# Altium PCB Levitador Magnetico.PcbDoc (part 2 of 3)
Units mm, origin at the board's own origin, x right, y up, seen from the top; angles counter-clockwise.
Board outline 150 x 150 mm, 2 copper layers (Top Layer, Bottom Layer), stack 1.571 mm thick; 249 components, 116 nets, 646 pads, 2428 vias.
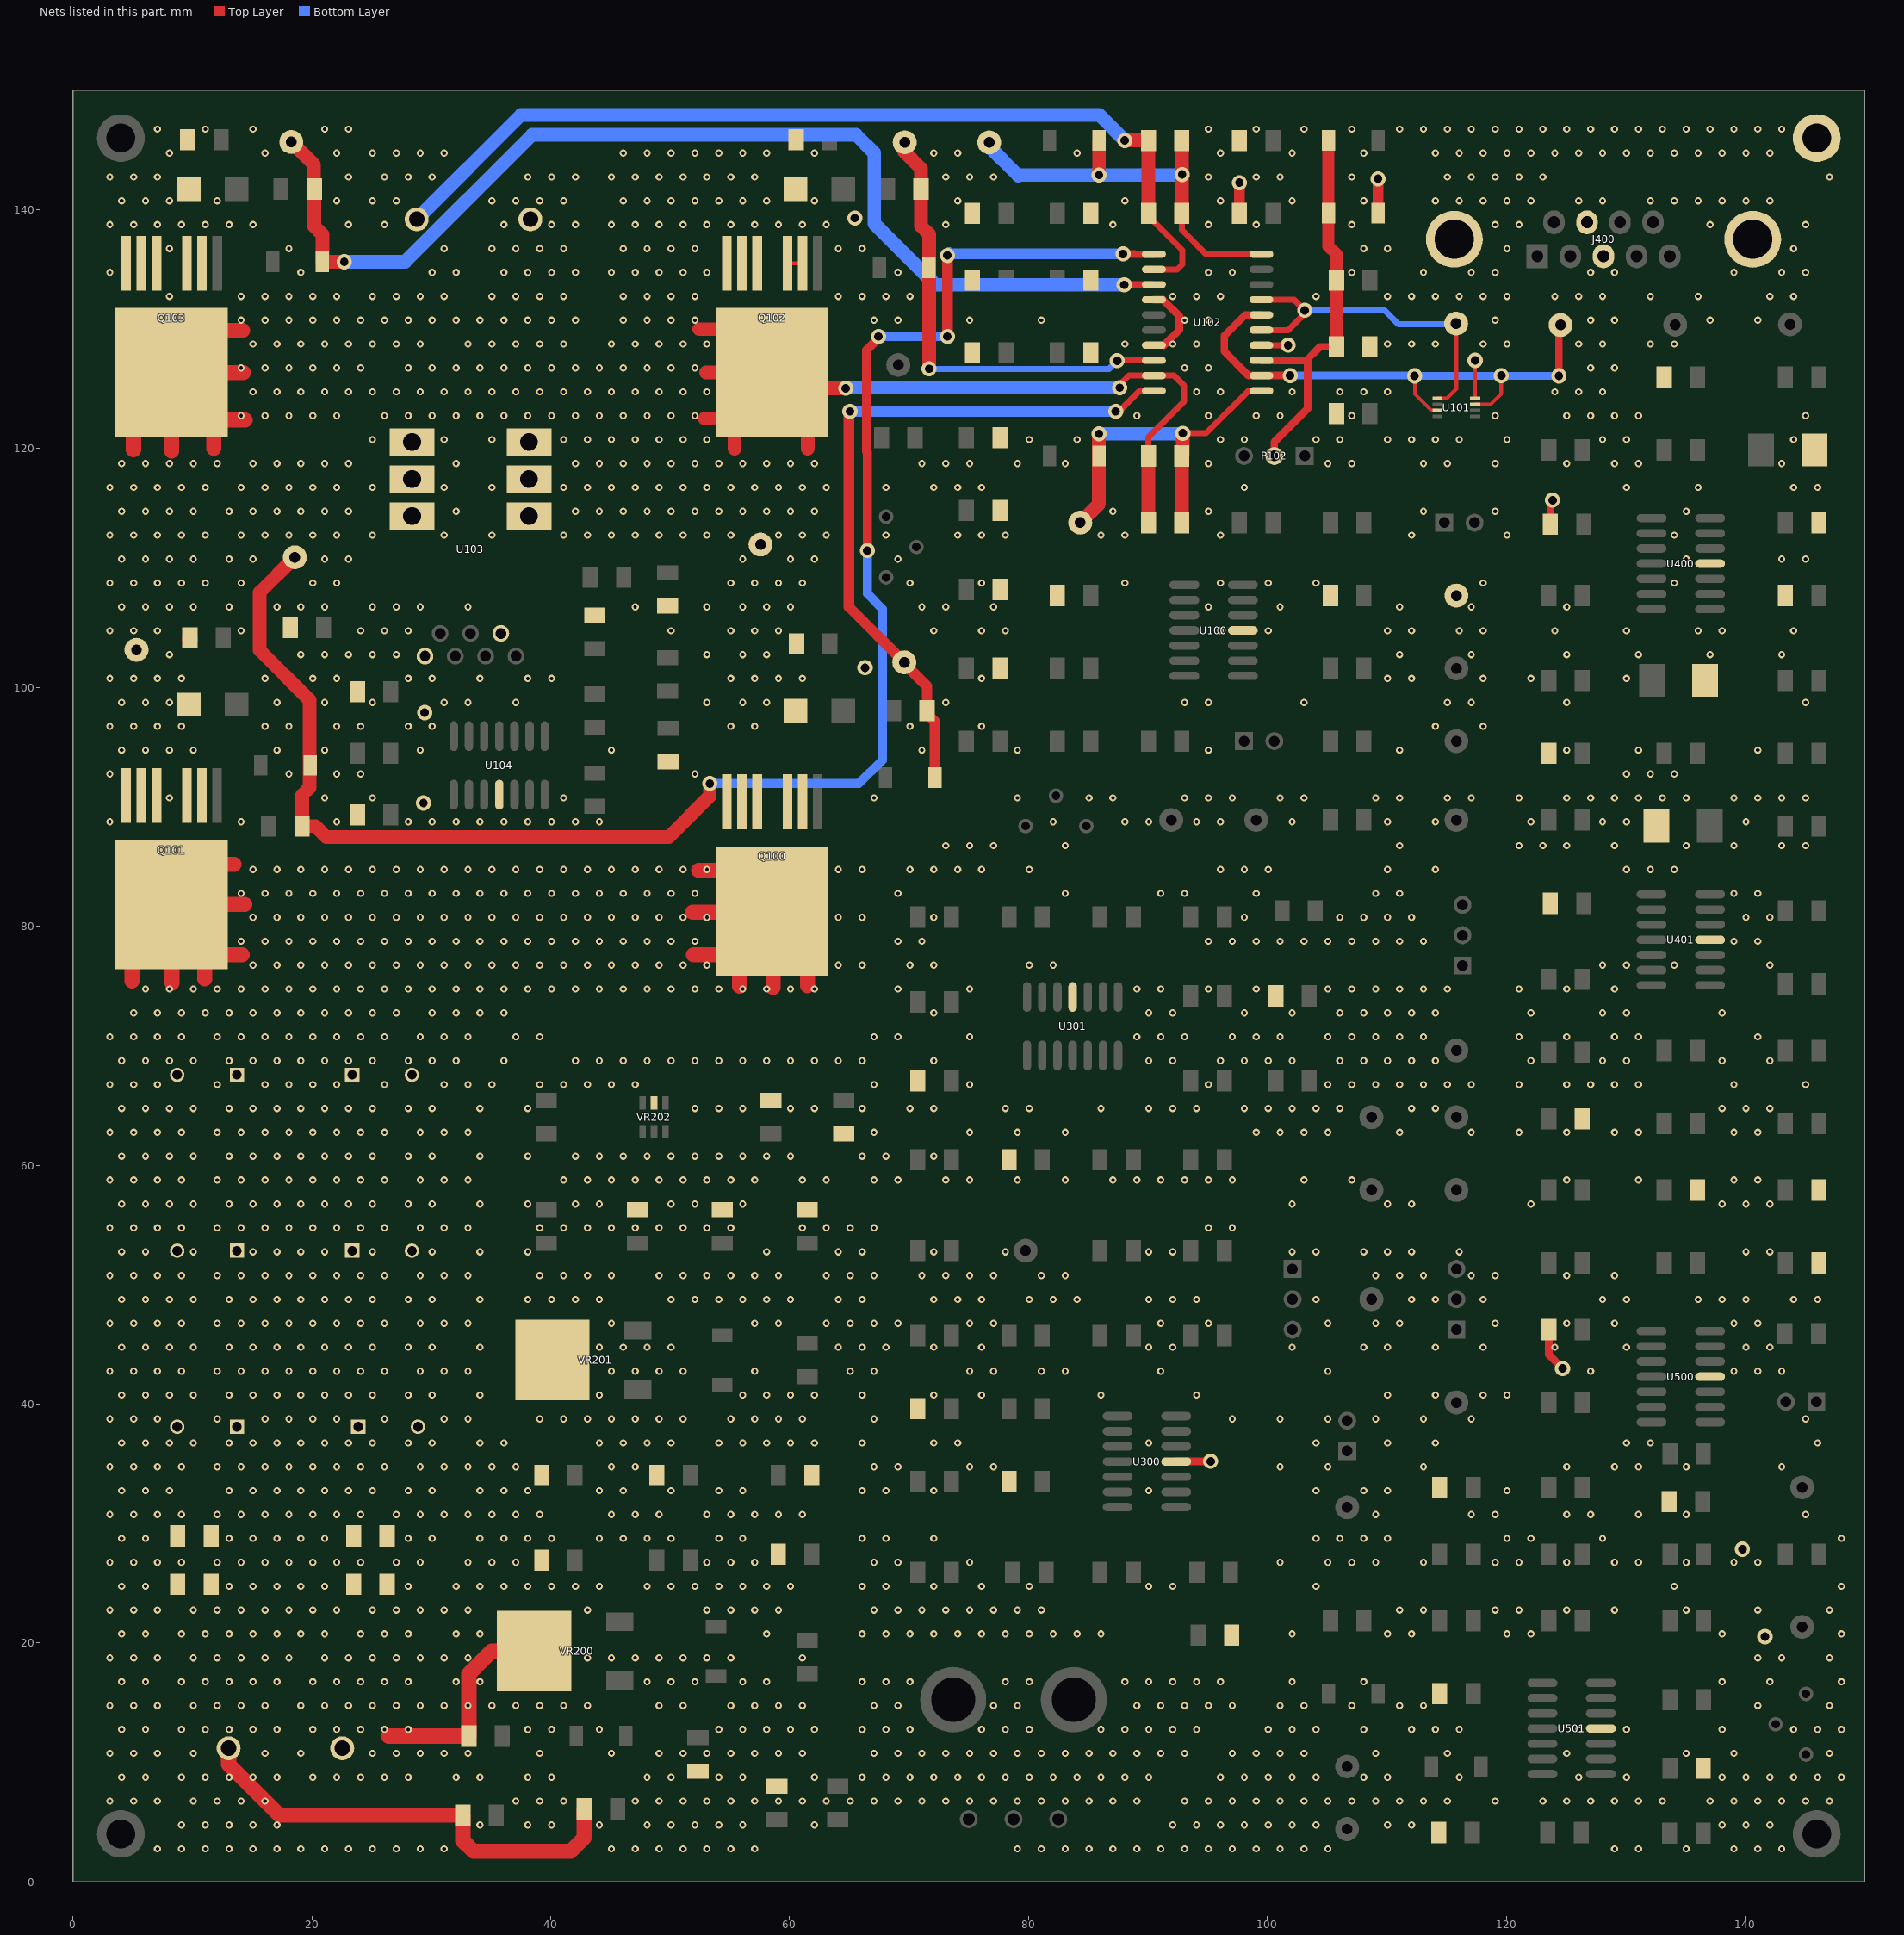
[diagram p2: the nets of this part, all layers, seen from the top]

## Via types
v1: diameter 0.6, hole 0.3, Top Layer to Bottom Layer, tented both sides, 1902 vias
v2: diameter 0.6, hole 0.3, Top Layer to Bottom Layer, 358 vias
v3: diameter 1.27, hole 0.711, Top Layer to Bottom Layer, tented both sides, 165 vias
v4: diameter 1.27, hole 0.711, Top Layer to Bottom Layer, 3 vias

## Nets (pads, with @x,y where several pads share a name; then routed paths per layer and width w, separated by ;. In a path a pad name is that pad's centre, name@x,y a point inside that pad or via, vN(x,y) a via of type N, cw(c..) or ccw(c..) an arc to the next point about the centre after c; other vN are vias at no path point) (continued)
+24V: C113.1 C114.1 C115.1 C116.1 C117.1 C118.1 C125.2 C126.2 C127.2 C128.2 D203.1 F200.1 J200.1 Q100.4 Q101.4 | length 116.9
  Top Layer w1.27: 4.927,75.402 4.927,78.476 Q101.4@8.255,81.803 ; 8.28,75.25 Q101.4@8.28,81.778 ; 11.023,75.58 Q101.4@11.023,79.034 ; Q101.4@11.532,85.192 13.487,85.192 ; Q101.4@12.166,85.715 Q101.4@8.28,81.828 ; J200.1@13.02,11.176 13.02,9.84 17.272,5.588 D203.1@32.636,5.588 32.636,3.432 33.528,2.54 41.656,2.54 42.796,3.68 F200.1@42.796,6.096 ; 14.173,77.612 12.446,77.612 Q101.4@11.023,79.034 ; 14.376,81.828 Q101.4@8.28,81.828 ; 51.892,81.178 Q100.4@58.445,81.178 ; 51.943,77.622 54.889,77.622 Q100.4@55.804,78.537 ; 52.375,84.684 55.143,84.684 Q100.4@58.547,81.28 ; 55.804,74.981 Q100.4@55.804,78.537 ; 58.623,74.879 Q100.4@58.623,81.204 ; 61.493,75.032 61.493,78.334 Q100.4@58.623,81.204 ; Q101.4@8.255,81.803 Q101.4@8.28,81.828 ; Q101.4@8.255,81.803 Q101.4@8.28,81.778 ; Q101.4@8.28,81.778 Q101.4@11.023,79.034 ; Q100.4@55.804,78.537 Q100.4@58.445,81.178 ; Q100.4@58.445,81.178 Q100.4@58.547,81.28 ; Q100.4@58.547,81.28 Q100.4@58.623,81.204
  other v2: 9.068,4.747 11.068,4.747 13.068,4.747 15.068,4.747 17.068,4.747 10.068,6.747 12.068,6.747 14.068,6.747 16.068,6.747 9.068,8.747 11.068,8.747 13.068,8.747 15.068,8.747 17.068,8.747 10.068,10.747 16.068,10.747 9.068,12.747 11.068,12.747 13.068,12.747 15.068,12.747 17.068,12.747 10.068,14.747 12.068,14.747 14.068,14.747 16.068,14.747 9.068,16.747 11.068,16.747 13.068,16.747 15.068,16.747 17.068,16.747 10.068,18.747 12.068,18.747 14.068,18.747 16.068,18.747 18.068,18.747 9.068,20.747 11.068,20.747 13.068,20.747 15.068,20.747 17.068,20.747 19.068,20.747 21.068,20.747 10.068,22.747 12.068,22.747 14.068,22.747 16.068,22.747 18.068,22.747 20.068,22.747 22.068,22.747 13.068,24.747 15.068,24.747 17.068,24.747 19.068,24.747 21.068,24.747 12.068,26.747 14.068,26.747 16.068,26.747 18.068,26.747 20.068,26.747 22.068,26.747 24.068,26.747 13.068,28.747 15.068,28.747 17.068,28.747 19.068,28.747 21.068,28.747 12.068,30.747 14.068,30.747 16.068,30.747 18.068,30.747 20.068,30.747 22.068,30.747 24.068,30.747 13.068,32.747 15.068,32.747 17.068,32.747 19.068,32.747 21.068,32.747 23.068,32.747 25.068,32.747 12.068,34.747 14.068,34.747 16.068,34.747 18.068,34.747 20.068,34.747 22.068,34.747 24.068,34.747 26.068,34.747 13.068,36.747 15.068,36.747 17.068,36.747 19.068,36.747 21.068,36.747 23.068,36.747 25.068,36.747 12.068,38.747 16.068,38.747 18.068,38.747 20.068,38.747 22.068,38.747 26.068,38.747 13.068,40.747 15.068,40.747 17.068,40.747 19.068,40.747 21.068,40.747 23.068,40.747 25.068,40.747 12.068,42.747 14.068,42.747 16.068,42.747 18.068,42.747 20.068,42.747 22.068,42.747 24.068,42.747 26.068,42.747 13.068,44.747 15.068,44.747 17.068,44.747 19.068,44.747 21.068,44.747 23.068,44.747 25.068,44.747 12.068,46.747 14.068,46.747 16.068,46.747 18.068,46.747 20.068,46.747 22.068,46.747 24.068,46.747 26.068,46.747 13.068,48.747 15.068,48.747 17.068,48.747 19.068,48.747 21.068,48.747 23.068,48.747 25.068,48.747 12.068,50.747 14.068,50.747 16.068,50.747 18.068,50.747 20.068,50.747 22.068,50.747 24.068,50.747 26.068,50.747 15.068,52.747 17.068,52.747 19.068,52.747 21.068,52.747 25.068,52.747 12.068,54.747 14.068,54.747 16.068,54.747 18.068,54.747 20.068,54.747 22.068,54.747 24.068,54.747 26.068,54.747 13.068,56.747 15.068,56.747 17.068,56.747 19.068,56.747 21.068,56.747 23.068,56.747 25.068,56.747 12.068,58.747 14.068,58.747 16.068,58.747 18.068,58.747 20.068,58.747 22.068,58.747 24.068,58.747 26.068,58.747 13.068,60.747 15.068,60.747 17.068,60.747 19.068,60.747 21.068,60.747 23.068,60.747 25.068,60.747 12.068,62.747 14.068,62.747 16.068,62.747 18.068,62.747 20.068,62.747 22.068,62.747 24.068,62.747 26.068,62.747 13.068,64.747 15.068,64.747 17.068,64.747 19.068,64.747 21.068,64.747 23.068,64.747 25.068,64.747 12.068,66.747 16.068,66.747 18.068,66.747 20.068,66.747 22.068,66.747 26.068,66.747 13.068,68.747 15.068,68.747 17.068,68.747 19.068,68.747 21.068,68.747 23.068,68.747 25.068,68.747 12.068,70.747 14.068,70.747 16.068,70.747 18.068,70.747 20.068,70.747 22.068,70.747 24.068,70.747 26.068,70.747 5.068,72.747 7.068,72.747 9.068,72.747 11.068,72.747 13.068,72.747 15.068,72.747 17.068,72.747 19.068,72.747 21.068,72.747 23.068,72.747 25.068,72.747 27.068,72.747 6.068,74.747 8.068,74.747 10.068,74.747 12.068,74.747 14.068,74.747 16.068,74.747 18.068,74.747 20.068,74.747 22.068,74.747 24.068,74.747 26.068,74.747 28.068,74.747 30.068,74.747 32.068,74.747 34.068,74.747 36.068,74.747 38.068,74.747 40.068,74.747 42.068,74.747 44.068,74.747 46.068,74.747 48.068,74.747 50.068,74.747 52.068,74.747 54.068,74.747 56.068,74.747 58.068,74.747 60.068,74.747 62.068,74.747 15.068,76.747 17.068,76.747 19.068,76.747 21.068,76.747 23.068,76.747 25.068,76.747 27.068,76.747 29.068,76.747 31.068,76.747 33.068,76.747 35.068,76.747 37.068,76.747 39.068,76.747 41.068,76.747 43.068,76.747 45.068,76.747 47.068,76.747 49.068,76.747 51.068,76.747 53.068,76.747 14.068,78.747 16.068,78.747 18.068,78.747 20.068,78.747 22.068,78.747 24.068,78.747 26.068,78.747 28.068,78.747 30.068,78.747 32.068,78.747 34.068,78.747 36.068,78.747 38.068,78.747 40.068,78.747 42.068,78.747 44.068,78.747 46.068,78.747 48.068,78.747 50.068,78.747 52.068,78.747 15.068,80.747 17.068,80.747 19.068,80.747 21.068,80.747 23.068,80.747 25.068,80.747 27.068,80.747 29.068,80.747 31.068,80.747 33.068,80.747 35.068,80.747 37.068,80.747 39.068,80.747 41.068,80.747 43.068,80.747 45.068,80.747 47.068,80.747 49.068,80.747 51.068,80.747 53.068,80.747 14.068,82.747 16.068,82.747 18.068,82.747 20.068,82.747 22.068,82.747 24.068,82.747 26.068,82.747 28.068,82.747 30.068,82.747 32.068,82.747 34.068,82.747 36.068,82.747 38.068,82.747 40.068,82.747 42.068,82.747 44.068,82.747 46.068,82.747 48.068,82.747 50.068,82.747 52.068,82.747 15.068,84.747 17.068,84.747 19.068,84.747 21.068,84.747 23.068,84.747 25.068,84.747 27.068,84.747 29.068,84.747 31.068,84.747 33.068,84.747 35.068,84.747 37.068,84.747 39.068,84.747 41.068,84.747 43.068,84.747 45.068,84.747 47.068,84.747 49.068,84.747 51.068,84.747 53.068,84.747
AHB: C123.2 C124.2 D101.1 TP105.1 U102.10 | length 35.5
  Top Layer w0.508: C124.2@92.84,139.7 92.84,138.3 94.869,136.271 U102.10@99.496,136.271
  Top Layer w1.143: v3(85.903,142.9) D101.1@85.903,145.788 ; C123.2@92.84,145.796 92.84,142.974 v3(92.862,142.951) C124.2@92.862,139.722
  Bottom Layer w1.143: TP105.1@76.76,145.583 TP105.1@76.708,145.635 76.708,145.284 79.106,142.886 ; 79.136,142.856 79.106,142.886 ; v3(92.862,142.951) 92.812,142.9 v3(85.903,142.9) 79.121,142.9 79.106,142.886
AHO: D108.1 R127.1 TP112.1 U102.11 | length 144.3
  Top Layer w0.635: v3(87.909,136.296) 88.849,136.296 ; 88.824,136.271 U102.11@90.496,136.271
  Top Layer w0.75: v3(66.497,111.455) 66.497,119.681 66.424,119.754 66.424,128.234 67.437,129.247 v3(67.437,129.388)
  Top Layer w0.889: v3(73.203,129.388) v3(73.203,136.169)
  Top Layer w1.143: TP112.1@18.567,110.896 15.621,107.95 15.621,103.121 19.792,98.95 19.792,91.605 19.188,91.001 R127.1@19.188,88.4 ; R127.1@19.18,88.392 20.284,88.392 21.211,87.465 49.873,87.465 53.315,90.907 v3@53.315,91.914
  Bottom Layer w0.75: v3(53.315,91.948) 65.798,91.948 67.77,93.921 67.77,106.575 66.497,107.848 v3(66.497,111.455) ; v3(67.437,129.388) v3(73.203,129.388)
  Bottom Layer w0.889: v3@73.33,136.296 v3(87.909,136.296)
  Bottom Layer w1.143: v3(73.203,129.388) v3@73.203,129.438 ; v3(73.203,136.169) v3@73.33,136.296
AHS: C123.1 C124.1 D103.2 J100.2 Q101.2 Q101.3 Q101.5 Q101.6 Q101.7 Q103.4 R118.2 TP111.1 U102.12 | length 107.8
  Top Layer w0.508: Q103.4@5.134,123.241 Q103.4@8.258,126.365 ; C124.1@90.04,139.7 90.04,139.449 92.888,136.601 92.888,135.433 92.456,135.001 U102.12@90.496,135.001
  Top Layer w1.143: v3(88.062,145.796) C123.1@90.04,145.796 C124.1@90.04,139.7
  Top Layer w1.27: 5.057,119.913 Q103.4@5.057,123.165 ; 8.258,119.786 Q103.4@8.258,126.365 14.252,126.365 ; R118.2@9.776,103.886 R118.2@9.776,104.14 ; 11.788,120.015 Q103.4@11.788,122.834 ; Q103.4@11.788,129.896 14.201,129.896 ; Q103.4@12.22,122.403 14.405,122.403
  Bottom Layer w1.143: J100.2@28.768,139.192 37.506,147.93 85.928,147.93 v3@88.038,145.82
  other v1: 3.068,88.747 8.068,90.747 3.068,92.747 4.068,94.747 6.068,94.747 8.068,94.747 10.068,94.747 3.068,96.747 5.068,96.747 7.068,96.747 9.068,96.747 4.068,98.747 6.068,98.747 8.068,98.747 3.068,100.747 5.068,100.747 7.068,100.747 9.068,100.747 8.068,102.747 3.068,104.747 5.068,104.747 7.068,104.747 4.068,106.747 6.068,106.747 8.068,106.747 10.068,106.747 3.068,108.747 5.068,108.747 7.068,108.747 9.068,108.747 11.068,108.747 4.068,110.747 6.068,110.747 8.068,110.747 10.068,110.747 3.068,112.747 5.068,112.747 7.068,112.747 9.068,112.747 11.068,112.747 4.068,114.747 6.068,114.747 8.068,114.747 10.068,114.747 3.068,116.747 5.068,116.747 7.068,116.747 9.068,116.747 11.068,116.747 4.068,118.747 6.068,118.747 8.068,118.747 10.068,118.747 12.068,118.747 14.068,122.747 16.068,122.747 18.068,122.747 20.068,122.747 22.068,122.747 15.068,124.747 17.068,124.747 19.068,124.747 21.068,124.747 23.068,124.747 14.068,126.747 16.068,126.747 18.068,126.747 20.068,126.747 22.068,126.747 24.068,126.747 15.068,128.747 17.068,128.747 19.068,128.747 21.068,128.747 23.068,128.747 25.068,128.747 27.068,128.747 29.068,128.747 14.068,130.747 16.068,130.747 18.068,130.747 20.068,130.747 22.068,130.747 24.068,130.747 26.068,130.747 28.068,130.747 30.068,130.747 32.068,130.747 25.068,132.747 27.068,132.747 29.068,132.747 31.068,132.747 30.068,134.747 32.068,134.747 31.068,136.747 26.068,138.747 25.068,140.747 27.068,140.747 26.068,142.747 28.068,142.747 30.068,142.747 25.068,144.747 27.068,144.747 29.068,144.747 31.068,144.747
AHS2: J100.1 U103.8 U103.9 U103.10
  other v1: 25.068,112.747 31.068,112.747 32.068,114.747 25.068,116.747 31.068,116.747 32.068,118.747 25.068,120.747 31.068,120.747 26.068,122.747 28.068,122.747 30.068,122.747 32.068,122.747 34.068,122.747 25.068,124.747 27.068,124.747 29.068,124.747 31.068,124.747 33.068,124.747 35.068,124.747 37.068,124.747 39.068,124.747 41.068,124.747 28.068,126.747 30.068,126.747 32.068,126.747 34.068,126.747 36.068,126.747 38.068,126.747 40.068,126.747 42.068,126.747 33.068,128.747 35.068,128.747 37.068,128.747 39.068,128.747 41.068,128.747 34.068,130.747 36.068,130.747 38.068,130.747 40.068,130.747 42.068,130.747 35.068,132.747 37.068,132.747 39.068,132.747 41.068,132.747 36.068,134.747 38.068,134.747 40.068,134.747 42.068,134.747 35.068,136.747 37.068,136.747 39.068,136.747 41.068,136.747 36.068,138.747 40.068,138.747 42.068,138.747 35.068,140.747 37.068,140.747 39.068,140.747 41.068,140.747 38.068,142.747 40.068,142.747 42.068,142.747
ALO: D110.1 R129.1 TP114.1 U102.13 | length 93.6
  Top Layer w0.635: v3(88.011,133.706) U102.13@90.318,133.706
  Top Layer w1.143: TP114.1@18.267,145.67 20.176,143.76 R129.1@20.176,142.313 ; R129.1@20.196,142.313 R129.1@20.196,141.732 20.196,138.605 20.871,137.93 D110.1@20.871,135.636 v3(22.708,135.636)
  Bottom Layer w1.143: v3(22.708,135.636) 27.794,135.636 38.436,146.279 65.557,146.279 67.081,144.755 67.081,138.836 72.212,133.706 v3(88.011,133.706)
BHB: C105.2 C106.2 D100.1 TP104.1 U102.1 | length 30.6
  Top Layer w0.508: v3(92.913,121.285) 94.869,121.285 98.425,124.841 U102.1@99.496,124.841
  Top Layer w1.143: TP104.1@84.328,113.792 85.895,115.359 D100.1@85.895,119.38 85.895,121.226 v3(85.903,121.234) ; C105.2@92.84,113.792 C106.2@92.84,119.38 ; C106.2@92.913,119.453 v3(92.913,121.285)
  Bottom Layer w1.143: v3(85.903,121.234) 92.862,121.234 v3(92.913,121.285)
BHI/ALI: TP109.1 U101.3 U101.7 U102.2 U102.6 | length 46.4
  Top Layer w0.305: v3(112.319,126.086) 112.344,126.06 112.344,124.562 113.712,123.194 U101.7@114.249,123.194 ; U101.3@117.399,123.694 118.69,123.694 119.583,124.587 v3(119.583,126.111)
  Top Layer w0.635: U102.6@99.496,131.191 98.146,131.191 96.393,129.438 96.393,128.143 98.425,126.111 U102.2@99.496,126.111 v3(101.905,126.111) ; v3(124.409,126.086) 124.409,130.172 TP109.1@124.552,130.314
  Bottom Layer w0.635: v3(101.905,126.111) v3@112.319,126.111 ; v3(112.319,126.086) v3(124.409,126.086)
BHO: D109.1 R128.2 TP113.1 U102.20 | length 59.9
  Top Layer w0.508: v3(87.3,123.114) 87.579,123.114 89.306,124.841 U102.20@90.496,124.841
  Top Layer w0.889: v3(65.049,123.115) 64.977,123.042 64.977,122.68 64.958,122.661 64.958,106.746 TP113.1@69.596,102.108 69.596,102.006 71.504,100.098 R128.2@71.504,98.044 71.504,97.79 72.179,97.115 D109.1@72.179,92.456
  Bottom Layer w0.889: v3(65.049,123.115) 65.051,123.114 v3(87.3,123.114)
BHS: C105.1 C106.1 D102.2 Q100.2 Q100.3 Q100.5 Q100.6 Q100.7 Q102.4 R117.1 TP108.1 U102.19 U103.11 U103.12 U103.13 | length 64.4
  Top Layer w0.508: v3(87.63,125.095) 87.63,125.324 88.417,126.111 U102.19@90.496,126.111 92.177,126.111 93.04,125.247 93.04,123.952 90.04,120.952 C106.1@90.04,119.38
  Top Layer w0.635: R117.1@60.484,103.807 R117.1@60.533,103.856
  Top Layer w1.143: 52.426,129.997 Q102.4@54.915,129.997 ; 52.908,122.504 Q102.4@55.397,122.504 ; 53.01,126.365 Q102.4@58.547,126.365 ; 55.397,119.99 Q102.4@55.397,122.504 ; Q102.4@55.397,123.215 Q102.4@55.397,122.504 ; TP108.1@57.542,111.911 TP108.1@57.542,112.03 ; Q102.4@59.588,125.324 59.868,125.044 v3(64.694,125.044) ; 61.519,119.99 Q102.4@61.519,123.393 ; C105.1@90.04,113.792 C106.1@90.04,119.38
  Bottom Layer w1.016: v3@64.811,125.093 64.922,125.093 64.924,125.095 v3(87.63,125.095)
  other v1: 55.068,96.747 57.068,96.747 56.068,98.747 58.068,98.747 55.068,100.747 57.068,100.747 59.068,100.747 61.068,100.747 56.068,102.747 58.068,102.747 55.068,104.747 57.068,104.747 59.068,104.747 56.068,106.747 58.068,106.747 60.068,106.747 55.068,108.747 57.068,108.747 59.068,108.747 61.068,108.747 56.068,110.747 60.068,110.747 62.068,110.747 35.068,112.747 41.068,112.747 43.068,112.747 45.068,112.747 47.068,112.747 49.068,112.747 51.068,112.747 53.068,112.747 55.068,112.747 59.068,112.747 61.068,112.747 63.068,112.747 42.068,114.747 44.068,114.747 46.068,114.747 48.068,114.747 50.068,114.747 52.068,114.747 54.068,114.747 56.068,114.747 58.068,114.747 60.068,114.747 62.068,114.747 35.068,116.747 41.068,116.747 43.068,116.747 45.068,116.747 47.068,116.747 49.068,116.747 51.068,116.747 53.068,116.747 55.068,116.747 57.068,116.747 59.068,116.747 61.068,116.747 63.068,116.747 42.068,118.747 44.068,118.747 46.068,118.747 48.068,118.747 50.068,118.747 52.068,118.747 54.068,118.747 56.068,118.747 58.068,118.747 60.068,118.747 62.068,118.747 35.068,120.747 41.068,120.747 43.068,120.747 45.068,120.747 47.068,120.747 49.068,120.747 51.068,120.747 53.068,120.747 36.068,122.747 38.068,122.747 40.068,122.747 42.068,122.747 44.068,122.747 46.068,122.747 48.068,122.747 50.068,122.747 52.068,122.747 43.068,124.747 45.068,124.747 47.068,124.747 49.068,124.747 51.068,124.747 53.068,124.747 44.068,126.747 46.068,126.747 48.068,126.747 50.068,126.747 52.068,126.747 45.068,128.747 47.068,128.747 49.068,128.747 51.068,128.747 53.068,128.747 46.068,130.747 48.068,130.747 50.068,130.747 52.068,130.747
BLI/AHI: TP110.1 U101.5 U102.5 U102.7 | length 29.1
  Top Layer w0.305: U101.5@114.249,124.194 115.025,124.194 115.824,124.993 115.824,130.457 TP110.1@115.833,130.465
  Top Layer w0.508: U102.5@99.496,129.921 101.752,129.921 103.124,131.293 v3(103.124,131.572) 102.235,132.461 U102.7@99.496,132.461
  Bottom Layer w0.508: v3(103.124,131.572) 109.814,131.572 110.988,130.397 TP110.1@115.856,130.397
BLO: D111.1 R130.2 TP115.1 U102.18 | length 39.1
  Top Layer w0.508: v3(87.427,127.356) 87.452,127.381 U102.18@90.496,127.381
  Top Layer w1.143: TP115.1@69.596,145.796 69.596,144.856 70.996,143.456 R130.2@70.996,141.732 70.996,138.63 71.671,137.955 D111.1@71.671,135.128 v3(71.671,126.678)
  Bottom Layer w0.508: v3(71.671,126.678) 86.749,126.678 v3(87.427,127.356)
DISABLE: C121.1 D104.2 D106.1 P102.2 R124.2 U102.3 | length 33.5
  Top Layer w0.635: U102.3@99.496,127.381 103.259,127.381 ; P102.2@100.584,119.38 100.584,120.548 103.365,123.33 103.365,127.275 103.259,127.381 ; R124.2@105.788,128.524 104.402,128.524 103.259,127.381
  Top Layer w1.016: D104.2@105.113,145.796 D106.1@105.113,139.7 105.113,136.949 105.788,136.274 C121.1@105.788,134.112 R124.2@105.788,128.524
GND: C100.2 C101.1 C102.1 C103.2 C104.1 C107.1 C108.1 C109.1 C110.1 C111.1 C112.1 C113.2 C114.2 C115.2 C116.2 C117.2 C118.2 C119.1 C120.2 C122.1 C125.1 C126.1 C127.1 C128.1 C129.1 C200.1 C201.1 C202.1 C203.1 C204.1 C205.1 C206.1 C207.1 C208.1 C301.1 C302.1 C303.2 C304.1 C401.1 C404.2 C405.2 C407.1 C409.2 C410.2 C503.2 C504.1 C505.2 C506.2 D105.2 D106.2 D107.2 D400.1 D401.1 D402.1 J200.2 J400.3 J400.7 J400.10 J400.11 pad.0@146,146 Q102.2 Q102.3 Q102.5 Q102.6 Q102.7 Q103.2 Q103.3 Q103.5 Q103.6 Q103.7 R3.1 R103.1 R105.1 R116.1 R119.2 R120.2 R122.2 R124.1 R125.2 R126.1 R203.1 R204.2 R205.1 R311.1 R324.2 R400.1 R406.1 R414.1 R415.1 R507.1 R515.1 TP102.1 U100.11 U101.4 U102.4 U102.14 U102.17 U103.2 U103.7 U104.11 U300.11 U301.11 U400.11 U401.11 U500.11 U501.11 VR200.2 VR201.2 VR202.2 | length 44.9
  Top Layer w0.305: Q102.3@59.817,135.515 Q102.2@61.087,135.515 ; U300.11@92.366,35.179 U300.11@92.391,35.204 ; U101.4@117.399,124.194 v3(117.399,127.381)
  Top Layer w0.508: U102.4@99.496,128.651 v3(101.727,128.651)
  Top Layer w0.635: C119.1@23.724,99.568 C119.1@23.8,99.644 ; U102.14@90.496,132.461 91.262,132.461 92.634,131.089 92.634,129.946 U102.17@91.338,128.651 ; U300.11@92.391,35.204 v4(95.25,35.204) ; C505.2@123.568,46.228 123.568,44.123 v3(124.714,42.977) ; C410.2@123.695,113.665 123.695,115.491 v3(123.876,115.672)
  Top Layer w0.889: R120.2@97.66,139.7 v3(97.66,142.262) ; D106.2@109.263,139.7 v3(109.263,142.588)
  Top Layer w1.27: 26.416,12.192 R203.1@33.144,12.192 33.144,17.396 35.052,19.304 VR200.2@38.608,19.304
  Bottom Layer w0.635: v3(123.876,115.672) v3@123.901,115.697
  other v1: 7.068,2.747 9.068,2.747 11.068,2.747 13.068,2.747 15.068,2.747 17.068,2.747 19.068,2.747 21.068,2.747 23.068,2.747 25.068,2.747 27.068,2.747 29.068,2.747 31.068,2.747 45.068,2.747 47.068,2.747 49.068,2.747 51.068,2.747 53.068,2.747 55.068,2.747 57.068,2.747 79.069,2.747 81.069,2.747 83.069,2.747 85.069,2.747 87.069,2.747 89.069,2.747 91.069,2.747 93.069,2.747 95.069,2.747 97.069,2.747 99.069,2.747 101.069,2.747 103.069,2.747 105.069,2.747 129.069,2.747 131.069,2.747 135.069,2.747 139.069,2.747 141.069,2.747 143.069,2.747 34.068,4.747 38.068,4.747 40.068,4.747 44.068,4.747 48.068,4.747 50.068,4.747 52.068,4.747 54.068,4.747 56.068,4.747 62.068,4.747 92.069,4.747 94.069,4.747 96.069,4.747 98.069,4.747 100.069,4.747 102.069,4.747 104.069,4.747 110.069,4.747 112.069,4.747 138.069,4.747 140.069,4.747 142.069,4.747 3.068,6.747 5.068,6.747 7.068,6.747 37.068,6.747 39.068,6.747 41.068,6.747 47.068,6.747 49.068,6.747 51.068,6.747 53.068,6.747 55.068,6.747 57.068,6.747 59.068,6.747 61.068,6.747 63.068,6.747 65.068,6.747 67.068,6.747 69.068,6.747 71.068,6.747 73.069,6.747 75.069,6.747 77.069,6.747 79.069,6.747 81.069,6.747 83.069,6.747 85.069,6.747 87.069,6.747 89.069,6.747 93.069,6.747 95.069,6.747 97.069,6.747 99.069,6.747 101.069,6.747 103.069,6.747 105.069,6.747 107.069,6.747 109.069,6.747 111.069,6.747 113.069,6.747 115.069,6.747 119.069,6.747 123.069,6.747 125.069,6.747 127.069,6.747 129.069,6.747 131.069,6.747 133.069,6.747 137.069,6.747 139.069,6.747 141.069,6.747 143.069,6.747 145.069,6.747 147.069,6.747 4.068,8.747 6.068,8.747 20.068,8.747 22.068,8.747 24.068,8.747 26.068,8.747 28.068,8.747 32.068,8.747 34.068,8.747 38.068,8.747 40.068,8.747 48.068,8.747 50.068,8.747 54.068,8.747 56.068,8.747 62.068,8.747 66.068,8.747 68.068,8.747 70.068,8.747 72.068,8.747 74.069,8.747 76.069,8.747 78.069,8.747 80.069,8.747 82.069,8.747 84.069,8.747 86.069,8.747 88.069,8.747 90.069,8.747 96.069,8.747 98.069,8.747 100.069,8.747 102.069,8.747 104.069,8.747 108.069,8.747 110.069,8.747 116.069,8.747 126.069,8.747 130.069,8.747 138.069,8.747 140.069,8.747 142.069,8.747 144.069,8.747 146.069,8.747 148.069,8.747 3.068,10.747 5.068,10.747 7.068,10.747 19.068,10.747 25.068,10.747 27.068,10.747 29.068,10.747 31.068,10.747 33.068,10.747 39.068,10.747 45.068,10.747 49.068,10.747 51.068,10.747 53.068,10.747 55.068,10.747 57.068,10.747 59.068,10.747 61.068,10.747 67.068,10.747 69.068,10.747 71.068,10.747 73.069,10.747 75.069,10.747 77.069,10.747 79.069,10.747 81.069,10.747 83.069,10.747 85.069,10.747 87.069,10.747 89.069,10.747 91.069,10.747 93.069,10.747 97.069,10.747 99.069,10.747 101.069,10.747 103.069,10.747 109.069,10.747 115.069,10.747 125.069,10.747 135.069,10.747 139.069,10.747 147.069,10.747 4.068,12.747 6.068,12.747 20.068,12.747 22.068,12.747 24.068,12.747 26.068,12.747 28.068,12.747 38.068,12.747 40.068,12.747 44.068,12.747 54.068,12.747 56.068,12.747 58.068,12.747 60.068,12.747 62.068,12.747 66.068,12.747 68.068,12.747 70.068,12.747 76.069,12.747 78.069,12.747 80.069,12.747 86.069,12.747 88.069,12.747 90.069,12.747 92.069,12.747 94.069,12.747 100.069,12.747 102.069,12.747 104.069,12.747 108.069,12.747 112.069,12.747 114.069,12.747 116.069,12.747 126.069,12.747 130.069,12.747 138.069,12.747 144.069,12.747 146.069,12.747 148.069,12.747 3.068,14.747 5.068,14.747 7.068,14.747 19.068,14.747 21.068,14.747 23.068,14.747 25.068,14.747 27.068,14.747 29.068,14.747 31.068,14.747 33.068,14.747 35.068,14.747 37.068,14.747 39.068,14.747 41.068,14.747 43.068,14.747 49.068,14.747 51.068,14.747 55.068,14.747 57.068,14.747 59.068,14.747 61.068,14.747 67.068,14.747 69.068,14.747 77.069,14.747 79.069,14.747 89.069,14.747 91.069,14.747 93.069,14.747 95.069,14.747 97.069,14.747 101.069,14.747 103.069,14.747 107.069,14.747 111.069,14.747 113.069,14.747 141.069,14.747 147.069,14.747 4.068,16.747 6.068,16.747 20.068,16.747 22.068,16.747 24.068,16.747 26.068,16.747 28.068,16.747 32.068,16.747 34.068,16.747 48.068,16.747 50.068,16.747 52.068,16.747 56.068,16.747 58.068,16.747 66.068,16.747 68.068,16.747 70.068,16.747 78.069,16.747 80.069,16.747 88.069,16.747 90.069,16.747 92.069,16.747 94.069,16.747 96.069,16.747 102.069,16.747 108.069,16.747 138.069,16.747 142.069,16.747 148.069,16.747 3.068,18.747 5.068,18.747 7.068,18.747 21.068,18.747 23.068,18.747 25.068,18.747 27.068,18.747 29.068,18.747 31.068,18.747 33.068,18.747 43.068,18.747 45.068,18.747 47.068,18.747 49.068,18.747 51.068,18.747 53.068,18.747 55.068,18.747 61.068,18.747 141.069,18.747 143.069,18.747 147.069,18.747 4.068,20.747 6.068,20.747 24.068,20.747 26.068,20.747 28.068,20.747 32.068,20.747 34.068,20.747 58.068,20.747 66.068,20.747 68.068,20.747 70.068,20.747 72.068,20.747 74.069,20.747 76.069,20.747 78.069,20.747 80.069,20.747 82.069,20.747 84.069,20.747 86.069,20.747 102.069,20.747 110.069,20.747 112.069,20.747 120.069,20.747 122.069,20.747 138.069,20.747 148.069,20.747 3.068,22.747 5.068,22.747 7.068,22.747 25.068,22.747 27.068,22.747 29.068,22.747 31.068,22.747 33.068,22.747 43.068,22.747 53.068,22.747 55.068,22.747 57.068,22.747 59.068,22.747 67.068,22.747 69.068,22.747 71.068,22.747 73.069,22.747 75.069,22.747 77.069,22.747 79.069,22.747 81.069,22.747 111.069,22.747 113.069,22.747 119.069,22.747 121.069,22.747 125.069,22.747 129.069,22.747 135.069,22.747 141.069,22.747 147.069,22.747 4.068,24.747 6.068,24.747 28.068,24.747 32.068,24.747 34.068,24.747 36.068,24.747 38.068,24.747 40.068,24.747 42.068,24.747 44.068,24.747 48.068,24.747 50.068,24.747 52.068,24.747 54.068,24.747 56.068,24.747 58.068,24.747 60.068,24.747 66.068,24.747 68.068,24.747 72.068,24.747 76.069,24.747 80.069,24.747 90.069,24.747 92.069,24.747 104.069,24.747 134.069,24.747 148.069,24.747 3.068,26.747 5.068,26.747 7.068,26.747 9.068,26.747 27.068,26.747 29.068,26.747 33.068,26.747 35.068,26.747 37.068,26.747 53.068,26.747 55.068,26.747 57.068,26.747 67.068,26.747 69.068,26.747 75.069,26.747 101.069,26.747 105.069,26.747 107.069,26.747 109.069,26.747 113.069,26.747 119.069,26.747 121.069,26.747 125.069,26.747 129.069,26.747 131.069,26.747 135.069,26.747 139.069,26.747 141.069,26.747 4.068,28.747 6.068,28.747 28.068,28.747 30.068,28.747 34.068,28.747 36.068,28.747 38.068,28.747 40.068,28.747 44.068,28.747 46.068,28.747 48.068,28.747 50.068,28.747 54.068,28.747 56.068,28.747 66.068,28.747 68.068,28.747 72.068,28.747 104.069,28.747 106.069,28.747 108.069,28.747 110.069,28.747 120.069,28.747 122.069,28.747 128.069,28.747 148.069,28.747 3.068,30.747 5.068,30.747 7.068,30.747 9.068,30.747 27.068,30.747 29.068,30.747 31.068,30.747 33.068,30.747 35.068,30.747 37.068,30.747 39.068,30.747 45.068,30.747 47.068,30.747 49.068,30.747 53.068,30.747 55.068,30.747 57.068,30.747 59.068,30.747 61.068,30.747 109.069,30.747 117.069,30.747 119.069,30.747 125.069,30.747 127.069,30.747 131.069,30.747 135.069,30.747 145.069,30.747 4.068,32.747 6.068,32.747 8.068,32.747 28.068,32.747 30.068,32.747 34.068,32.747 36.068,32.747 38.068,32.747 44.068,32.747 46.068,32.747 50.068,32.747 54.068,32.747 56.068,32.747 66.068,32.747 68.068,32.747 72.068,32.747 90.069,32.747 104.069,32.747 108.069,32.747 110.069,32.747 120.069,32.747 3.068,34.747 5.068,34.747 7.068,34.747 9.068,34.747 29.068,34.747 31.068,34.747 33.068,34.747 35.068,34.747 37.068,34.747 45.068,34.747 47.068,34.747 67.068,34.747 69.068,34.747 75.069,34.747 77.069,34.747 101.069,34.747 105.069,34.747 113.069,34.747 125.069,34.747 129.069,34.747 131.069,34.747 135.069,34.747 143.069,34.747 4.068,36.747 6.068,36.747 8.068,36.747 10.068,36.747 28.068,36.747 30.068,36.747 34.068,36.747 36.068,36.747 44.068,36.747 46.068,36.747 48.068,36.747 50.068,36.747 54.068,36.747 56.068,36.747 58.068,36.747 60.068,36.747 62.068,36.747 66.068,36.747 72.068,36.747 74.069,36.747 90.069,36.747 104.069,36.747 110.069,36.747 114.069,36.747 130.069,36.747 132.069,36.747 146.069,36.747 3.068,38.747 5.068,38.747 7.068,38.747 31.068,38.747 33.068,38.747 39.068,38.747 41.068,38.747 43.068,38.747 45.068,38.747 47.068,38.747 49.068,38.747 51.068,38.747 55.068,38.747 57.068,38.747 59.068,38.747 61.068,38.747 67.068,38.747 97.069,38.747 101.069,38.747 105.069,38.747 109.069,38.747 113.069,38.747 117.069,38.747 145.069,38.747 4.068,40.747 6.068,40.747 8.068,40.747 10.068,40.747 28.068,40.747 30.068,40.747 34.068,40.747 44.068,40.747 56.068,40.747 58.068,40.747 60.068,40.747 62.068,40.747 66.068,40.747 72.068,40.747 76.069,40.747 86.069,40.747 94.069,40.747 110.069,40.747 114.069,40.747 118.069,40.747 120.069,40.747 3.068,42.747 5.068,42.747 7.068,42.747 9.068,42.747 29.068,42.747 31.068,42.747 33.068,42.747 45.068,42.747 47.068,42.747 49.068,42.747 51.068,42.747 57.068,42.747 65.068,42.747 67.068,42.747 75.069,42.747 77.069,42.747 81.069,42.747 83.069,42.747 91.069,42.747 105.069,42.747 127.069,42.747 139.069,42.747 141.069,42.747 143.069,42.747 4.068,44.747 6.068,44.747 8.068,44.747 10.068,44.747 28.068,44.747 30.068,44.747 34.068,44.747 44.068,44.747 46.068,44.747 48.068,44.747 50.068,44.747 64.068,44.747 66.068,44.747 68.068,44.747 72.068,44.747 76.069,44.747 90.069,44.747 92.069,44.747 102.069,44.747 108.069,44.747 110.069,44.747 114.069,44.747 118.069,44.747 124.069,44.747 130.069,44.747 140.069,44.747 142.069,44.747 3.068,46.747 5.068,46.747 7.068,46.747 9.068,46.747 29.068,46.747 31.068,46.747 33.068,46.747 45.068,46.747 57.068,46.747 59.068,46.747 63.068,46.747 65.068,46.747 67.068,46.747 69.068,46.747 75.069,46.747 77.069,46.747 91.069,46.747 95.069,46.747 105.069,46.747 109.069,46.747 111.069,46.747 119.069,46.747 125.069,46.747 129.069,46.747 139.069,46.747 141.069,46.747 4.068,48.747 6.068,48.747 8.068,48.747 10.068,48.747 28.068,48.747 30.068,48.747 34.068,48.747 38.068,48.747 40.068,48.747 42.068,48.747 44.068,48.747 50.068,48.747 52.068,48.747 54.068,48.747 56.068,48.747 58.068,48.747 60.068,48.747 64.068,48.747 66.068,48.747 72.068,48.747 74.069,48.747 76.069,48.747 80.069,48.747 82.069,48.747 84.069,48.747 90.069,48.747 92.069,48.747 94.069,48.747 104.069,48.747 112.069,48.747 114.069,48.747 118.069,48.747 128.069,48.747 130.069,48.747 136.069,48.747 138.069,48.747 140.069,48.747 144.069,48.747 146.069,48.747 3.068,50.747 5.068,50.747 7.068,50.747 9.068,50.747 29.068,50.747 31.068,50.747 33.068,50.747 39.068,50.747 41.068,50.747 43.068,50.747 45.068,50.747 49.068,50.747 51.068,50.747 53.068,50.747 55.068,50.747 57.068,50.747 59.068,50.747 63.068,50.747 65.068,50.747 67.068,50.747 71.068,50.747 73.069,50.747 75.069,50.747 77.069,50.747 81.069,50.747 83.069,50.747 109.069,50.747 111.069,50.747 113.069,50.747 117.069,50.747 119.069,50.747 125.069,50.747 129.069,50.747 4.068,52.747 6.068,52.747 10.068,52.747 30.068,52.747 34.068,52.747 38.068,52.747 58.068,52.747 64.068,52.747 66.068,52.747 72.068,52.747 78.069,52.747 90.069,52.747 92.069,52.747 102.069,52.747 104.069,52.747 108.069,52.747 110.069,52.747 112.069,52.747 116.069,52.747 140.069,52.747 142.069,52.747 3.068,54.747 5.068,54.747 7.068,54.747 9.068,54.747 29.068,54.747 31.068,54.747 33.068,54.747 39.068,54.747 41.068,54.747 43.068,54.747 45.068,54.747 47.068,54.747 49.068,54.747 51.068,54.747 53.068,54.747 55.068,54.747 61.068,54.747 63.068,54.747 65.068,54.747 67.068,54.747 95.069,54.747 97.069,54.747 4.068,56.747 6.068,56.747 8.068,56.747 10.068,56.747 28.068,56.747 30.068,56.747 34.068,56.747 38.068,56.747 42.068,56.747 44.068,56.747 50.068,56.747 52.068,56.747 56.068,56.747 102.069,56.747 110.069,56.747 112.069,56.747 122.069,56.747 138.069,56.747 140.069,56.747 142.069,56.747 3.068,58.747 5.068,58.747 7.068,58.747 9.068,58.747 29.068,58.747 31.068,58.747 33.068,58.747 41.068,58.747 43.068,58.747 45.068,58.747 47.068,58.747 49.068,58.747 51.068,58.747 53.068,58.747 55.068,58.747 57.068,58.747 61.068,58.747 63.068,58.747 67.068,58.747 69.068,58.747 73.069,58.747 75.069,58.747 79.069,58.747 83.069,58.747 87.069,58.747 89.069,58.747 91.069,58.747 93.069,58.747 95.069,58.747 97.069,58.747 103.069,58.747 107.069,58.747 125.069,58.747 131.069,58.747 139.069,58.747 141.069,58.747 4.068,60.747 6.068,60.747 8.068,60.747 10.068,60.747 28.068,60.747 30.068,60.747 34.068,60.747 38.068,60.747 42.068,60.747 44.068,60.747 46.068,60.747 48.068,60.747 50.068,60.747 52.068,60.747 54.068,60.747 56.068,60.747 58.068,60.747 60.068,60.747 66.068,60.747 68.068,60.747 72.068,60.747 3.068,62.747 5.068,62.747 7.068,62.747 9.068,62.747 29.068,62.747 31.068,62.747 33.068,62.747 67.068,62.747 75.069,62.747 79.069,62.747 83.069,62.747 99.069,62.747 101.069,62.747 103.069,62.747 105.069,62.747 111.069,62.747 117.069,62.747 121.069,62.747 125.069,62.747 129.069,62.747 131.069,62.747 139.069,62.747 141.069,62.747 4.068,64.747 6.068,64.747 8.068,64.747 10.068,64.747 28.068,64.747 30.068,64.747 34.068,64.747 38.068,64.747 52.068,64.747 54.068,64.747 56.068,64.747 60.068,64.747 62.068,64.747 66.068,64.747 70.068,64.747 72.068,64.747 78.069,64.747 80.069,64.747 86.069,64.747 90.069,64.747 92.069,64.747 94.069,64.747 98.069,64.747 100.069,64.747 102.069,64.747 104.069,64.747 106.069,64.747 112.069,64.747 114.069,64.747 138.069,64.747 140.069,64.747 142.069,64.747 3.068,66.747 5.068,66.747 7.068,66.747 31.068,66.747 33.068,66.747 35.068,66.747 39.068,66.747 41.068,66.747 43.068,66.747 45.068,66.747 47.068,66.747 67.068,66.747 75.069,66.747 95.069,66.747 105.069,66.747 107.069,66.747 109.069,66.747 111.069,66.747 113.069,66.747 115.069,66.747 117.069,66.747 121.069,66.747 125.069,66.747 127.069,66.747 129.069,66.747 131.069,66.747 139.069,66.747 145.069,66.747 4.068,68.747 6.068,68.747 8.068,68.747 10.068,68.747 28.068,68.747 30.068,68.747 32.068,68.747 36.068,68.747 42.068,68.747 44.068,68.747 46.068,68.747 48.068,68.747 50.068,68.747 52.068,68.747 54.068,68.747 56.068,68.747 58.068,68.747 60.068,68.747 62.068,68.747 64.068,68.747 66.068,68.747 72.068,68.747 90.069,68.747 92.069,68.747 96.069,68.747 98.069,68.747 100.069,68.747 102.069,68.747 106.069,68.747 108.069,68.747 110.069,68.747 112.069,68.747 114.069,68.747 122.069,68.747 128.069,68.747 130.069,68.747 138.069,68.747 142.069,68.747 3.068,70.747 5.068,70.747 7.068,70.747 9.068,70.747 29.068,70.747 31.068,70.747 33.068,70.747 37.068,70.747 39.068,70.747 67.068,70.747 69.068,70.747 75.069,70.747 89.069,70.747 91.069,70.747 93.069,70.747 97.069,70.747 99.069,70.747 101.069,70.747 105.069,70.747 107.069,70.747 109.069,70.747 111.069,70.747 113.069,70.747 121.069,70.747 125.069,70.747 129.069,70.747 131.069,70.747 141.069,70.747 30.068,72.747 32.068,72.747 34.068,72.747 36.068,72.747 72.068,72.747 90.069,72.747 92.069,72.747 98.069,72.747 102.069,72.747 106.069,72.747 108.069,72.747 110.069,72.747 112.069,72.747 114.069,72.747 122.069,72.747 128.069,72.747 130.069,72.747 138.069,72.747 69.068,74.747 75.069,74.747 89.069,74.747 91.069,74.747 95.069,74.747 99.069,74.747 105.069,74.747 107.069,74.747 109.069,74.747 111.069,74.747 113.069,74.747 115.069,74.747 121.069,74.747 125.069,74.747 129.069,74.747 64.068,76.747 66.068,76.747 70.068,76.747 72.068,76.747 80.069,76.747 82.069,76.747 128.069,76.747 130.069,76.747 134.069,76.747 142.069,76.747 69.068,78.747 71.068,78.747 95.069,78.747 97.069,78.747 99.069,78.747 101.069,78.747 103.069,78.747 105.069,78.747 107.069,78.747 109.069,78.747 111.069,78.747 113.069,78.747 139.069,78.747 141.069,78.747 64.068,80.747 66.068,80.747 72.068,80.747 98.069,80.747 106.069,80.747 108.069,80.747 110.069,80.747 112.069,80.747 140.069,80.747 142.069,80.747 69.068,82.747 83.069,82.747 91.069,82.747 93.069,82.747 99.069,82.747 109.069,82.747 111.069,82.747 139.069,82.747 141.069,82.747 64.068,84.747 66.068,84.747 70.068,84.747 72.068,84.747 74.069,84.747 76.069,84.747 80.069,84.747 96.069,84.747 98.069,84.747 100.069,84.747 110.069,84.747 114.069,84.747 130.069,84.747 132.069,84.747 134.069,84.747 73.069,86.747 75.069,86.747 77.069,86.747 83.069,86.747 111.069,86.747 121.069,86.747 123.069,86.747 125.069,86.747 129.069,86.747 135.069,86.747 139.069,86.747 143.069,86.747 145.069,86.747 14.068,88.747 22.068,88.747 28.068,88.747 30.068,88.747 32.068,88.747 34.068,88.747 36.068,88.747 38.068,88.747 40.068,88.747 42.068,88.747 44.068,88.747 82.069,88.747 88.069,88.747 90.069,88.747 94.069,88.747 96.069,88.747 102.069,88.747 110.069,88.747 114.069,88.747 122.069,88.747 128.069,88.747 130.069,88.747 140.069,88.747 21.068,90.747 25.068,90.747 41.068,90.747 67.068,90.747 79.069,90.747 85.069,90.747 87.069,90.747 93.069,90.747 95.069,90.747 97.069,90.747 101.069,90.747 103.069,90.747 109.069,90.747 111.069,90.747 115.069,90.747 117.069,90.747 121.069,90.747 125.069,90.747 127.069,90.747 129.069,90.747 131.069,90.747 133.069,90.747 135.069,90.747 139.069,90.747 141.069,90.747 143.069,90.747 145.069,90.747 18.068,92.747 22.068,92.747 24.068,92.747 52.068,92.747 130.069,92.747 132.069,92.747 134.069,92.747 17.068,94.747 21.068,94.747 29.068,94.747 45.068,94.747 71.068,94.747 79.069,94.747 95.069,94.747 111.069,94.747 125.069,94.747 131.069,94.747 141.069,94.747 16.068,96.747 18.068,96.747 22.068,96.747 24.068,96.747 28.068,96.747 30.068,96.747 70.068,96.747 76.069,96.747 114.069,96.747 118.069,96.747 17.068,98.747 21.068,98.747 25.068,98.747 31.068,98.747 33.068,98.747 37.068,98.747 53.068,98.747 73.069,98.747 93.069,98.747 95.069,98.747 103.069,98.747 115.069,98.747 117.069,98.747 125.069,98.747 145.069,98.747 16.068,100.747 20.068,100.747 22.068,100.747 28.068,100.747 30.068,100.747 34.068,100.747 38.068,100.747 40.068,100.747 76.069,100.747 110.069,100.747 112.069,100.747 118.069,100.747 122.069,100.747 130.069,100.747 19.068,102.747 21.068,102.747 23.068,102.747 25.068,102.747 27.068,102.747 53.068,102.747 111.069,102.747 117.069,102.747 125.069,102.747 131.069,102.747 137.069,102.747 143.069,102.747 14.068,104.747 24.068,104.747 26.068,104.747 28.068,104.747 50.068,104.747 72.068,104.747 76.069,104.747 78.069,104.747 96.069,104.747 100.069,104.747 110.069,104.747 112.069,104.747 116.069,104.747 118.069,104.747 124.069,104.747 130.069,104.747 136.069,104.747 138.069,104.747 144.069,104.747 13.068,106.747 17.068,106.747 19.068,106.747 21.068,106.747 25.068,106.747 27.068,106.747 29.068,106.747 33.068,106.747 47.068,106.747 53.068,106.747 71.068,106.747 73.069,106.747 77.069,106.747 95.069,106.747 101.069,106.747 111.069,106.747 117.069,106.747 125.069,106.747 14.068,108.747 20.068,108.747 22.068,108.747 70.068,108.747 76.069,108.747 88.069,108.747 96.069,108.747 100.069,108.747 104.069,108.747 118.069,108.747 134.069,108.747 13.068,110.747 15.068,110.747 21.068,110.747 23.068,110.747 69.068,110.747 135.069,110.747 143.069,110.747 145.069,110.747 14.068,112.747 16.068,112.747 18.068,112.747 20.068,112.747 22.068,112.747 68.068,112.747 74.069,112.747 76.069,112.747 78.069,112.747 86.069,112.747 88.069,112.747 96.069,112.747 112.069,112.747 120.069,112.747 134.069,112.747 13.068,114.747 15.068,114.747 17.068,114.747 19.068,114.747 21.068,114.747 23.068,114.747 87.069,114.747 95.069,114.747 113.069,114.747 119.069,114.747 135.069,114.747 14.068,116.747 16.068,116.747 18.068,116.747 20.068,116.747 22.068,116.747 68.068,116.747 72.068,116.747 74.069,116.747 76.069,116.747 98.069,116.747 130.069,116.747 136.069,116.747 144.069,116.747 146.069,116.747 15.068,118.747 17.068,118.747 19.068,118.747 21.068,118.747 23.068,118.747 71.068,118.747 73.069,118.747 75.069,118.747 79.069,118.747 83.069,118.747 95.069,118.747 105.069,118.747 107.069,118.747 113.069,118.747 115.069,118.747 119.069,118.747 125.069,118.747 129.069,118.747 131.069,118.747 143.069,118.747 80.069,120.747 84.069,120.747 96.069,120.747 98.069,120.747 104.069,120.747 106.069,120.747 110.069,120.747 112.069,120.747 114.069,120.747 116.069,120.747 120.069,120.747 128.069,120.747 130.069,120.747 144.069,120.747 89.069,122.747 95.069,122.747 99.069,122.747 101.069,122.747 107.069,122.747 119.069,122.747 125.069,122.747 127.069,122.747 129.069,122.747 131.069,122.747 145.069,122.747 94.069,124.747 96.069,124.747 102.069,124.747 106.069,124.747 108.069,124.747 110.069,124.747 124.069,124.747 126.069,124.747 128.069,124.747 93.069,126.747 95.069,126.747 127.069,126.747 129.069,126.747 88.069,128.747 92.069,128.747 94.069,128.747 110.069,128.747 112.069,128.747 114.069,128.747 118.069,128.747 120.069,128.747 126.069,128.747 128.069,128.747 132.069,128.747 134.069,128.747 67.068,130.747 69.068,130.747 75.069,130.747 81.069,130.747 93.069,130.747 95.069,130.747 119.069,130.747 127.069,130.747 129.069,130.747 137.069,130.747 141.069,130.747 8.068,132.747 14.068,132.747 16.068,132.747 18.068,132.747 20.068,132.747 22.068,132.747 46.068,132.747 48.068,132.747 50.068,132.747 52.068,132.747 64.068,132.747 66.068,132.747 68.068,132.747 70.068,132.747 92.069,132.747 94.069,132.747 96.069,132.747 104.069,132.747 110.069,132.747 112.069,132.747 114.069,132.747 116.069,132.747 118.069,132.747 120.069,132.747 124.069,132.747 126.069,132.747 128.069,132.747 132.069,132.747 136.069,132.747 142.069,132.747 144.069,132.747 3.068,134.747 19.068,134.747 45.068,134.747 47.068,134.747 49.068,134.747 51.068,134.747 53.068,134.747 69.068,134.747 95.069,134.747 97.069,134.747 107.069,134.747 113.069,134.747 117.069,134.747 119.069,134.747 127.069,134.747 129.069,134.747 139.069,134.747 143.069,134.747 145.069,134.747 8.068,136.747 18.068,136.747 46.068,136.747 48.068,136.747 50.068,136.747 52.068,136.747 64.068,136.747 66.068,136.747 108.069,136.747 110.069,136.747 120.069,136.747 144.069,136.747 3.068,138.747 5.068,138.747 7.068,138.747 9.068,138.747 11.068,138.747 13.068,138.747 15.068,138.747 23.068,138.747 45.068,138.747 47.068,138.747 49.068,138.747 51.068,138.747 53.068,138.747 55.068,138.747 57.068,138.747 59.068,138.747 61.068,138.747 63.068,138.747 73.069,138.747 87.069,138.747 95.069,138.747 99.069,138.747 107.069,138.747 119.069,138.747 121.069,138.747 137.069,138.747 145.069,138.747 4.068,140.747 6.068,140.747 8.068,140.747 12.068,140.747 22.068,140.747 46.068,140.747 48.068,140.747 50.068,140.747 52.068,140.747 54.068,140.747 56.068,140.747 58.068,140.747 62.068,140.747 74.069,140.747 88.069,140.747 96.069,140.747 102.069,140.747 108.069,140.747 114.069,140.747 116.069,140.747 118.069,140.747 120.069,140.747 122.069,140.747 126.069,140.747 128.069,140.747 132.069,140.747 134.069,140.747 136.069,140.747 138.069,140.747 140.069,140.747 142.069,140.747 3.068,142.747 5.068,142.747 7.068,142.747 23.068,142.747 45.068,142.747 47.068,142.747 49.068,142.747 51.068,142.747 53.068,142.747 55.068,142.747 57.068,142.747 73.069,142.747 75.069,142.747 77.069,142.747 95.069,142.747 99.069,142.747 101.069,142.747 107.069,142.747 115.069,142.747 117.069,142.747 119.069,142.747 121.069,142.747 123.069,142.747 147.069,142.747 8.068,144.747 16.068,144.747 22.068,144.747 46.068,144.747 48.068,144.747 50.068,144.747 52.068,144.747 54.068,144.747 56.068,144.747 58.068,144.747 62.068,144.747 72.068,144.747 74.069,144.747 84.069,144.747 96.069,144.747 102.069,144.747 108.069,144.747 114.069,144.747 116.069,144.747 118.069,144.747 120.069,144.747 122.069,144.747 124.069,144.747 126.069,144.747 128.069,144.747 130.069,144.747 132.069,144.747 134.069,144.747 136.069,144.747 138.069,144.747 140.069,144.747 142.069,144.747 7.068,146.747 11.068,146.747 15.068,146.747 21.068,146.747 23.068,146.747 95.069,146.747 99.069,146.747 103.069,146.747 107.069,146.747 111.069,146.747 113.069,146.747 115.069,146.747 117.069,146.747 119.069,146.747 121.069,146.747 123.069,146.747 125.069,146.747 127.069,146.747 129.069,146.747 131.069,146.747 133.069,146.747 135.069,146.747 137.069,146.747 139.069,146.747 141.069,146.747 143.069,146.747
  other v3: 141.656,20.523 139.776,27.838 29.337,90.322 29.439,97.892 66.31,101.651 65.456,139.294